# KiCad board Rogelio Pineda - connect 7 AMLDC-2044B.kicad_pcb (continued)
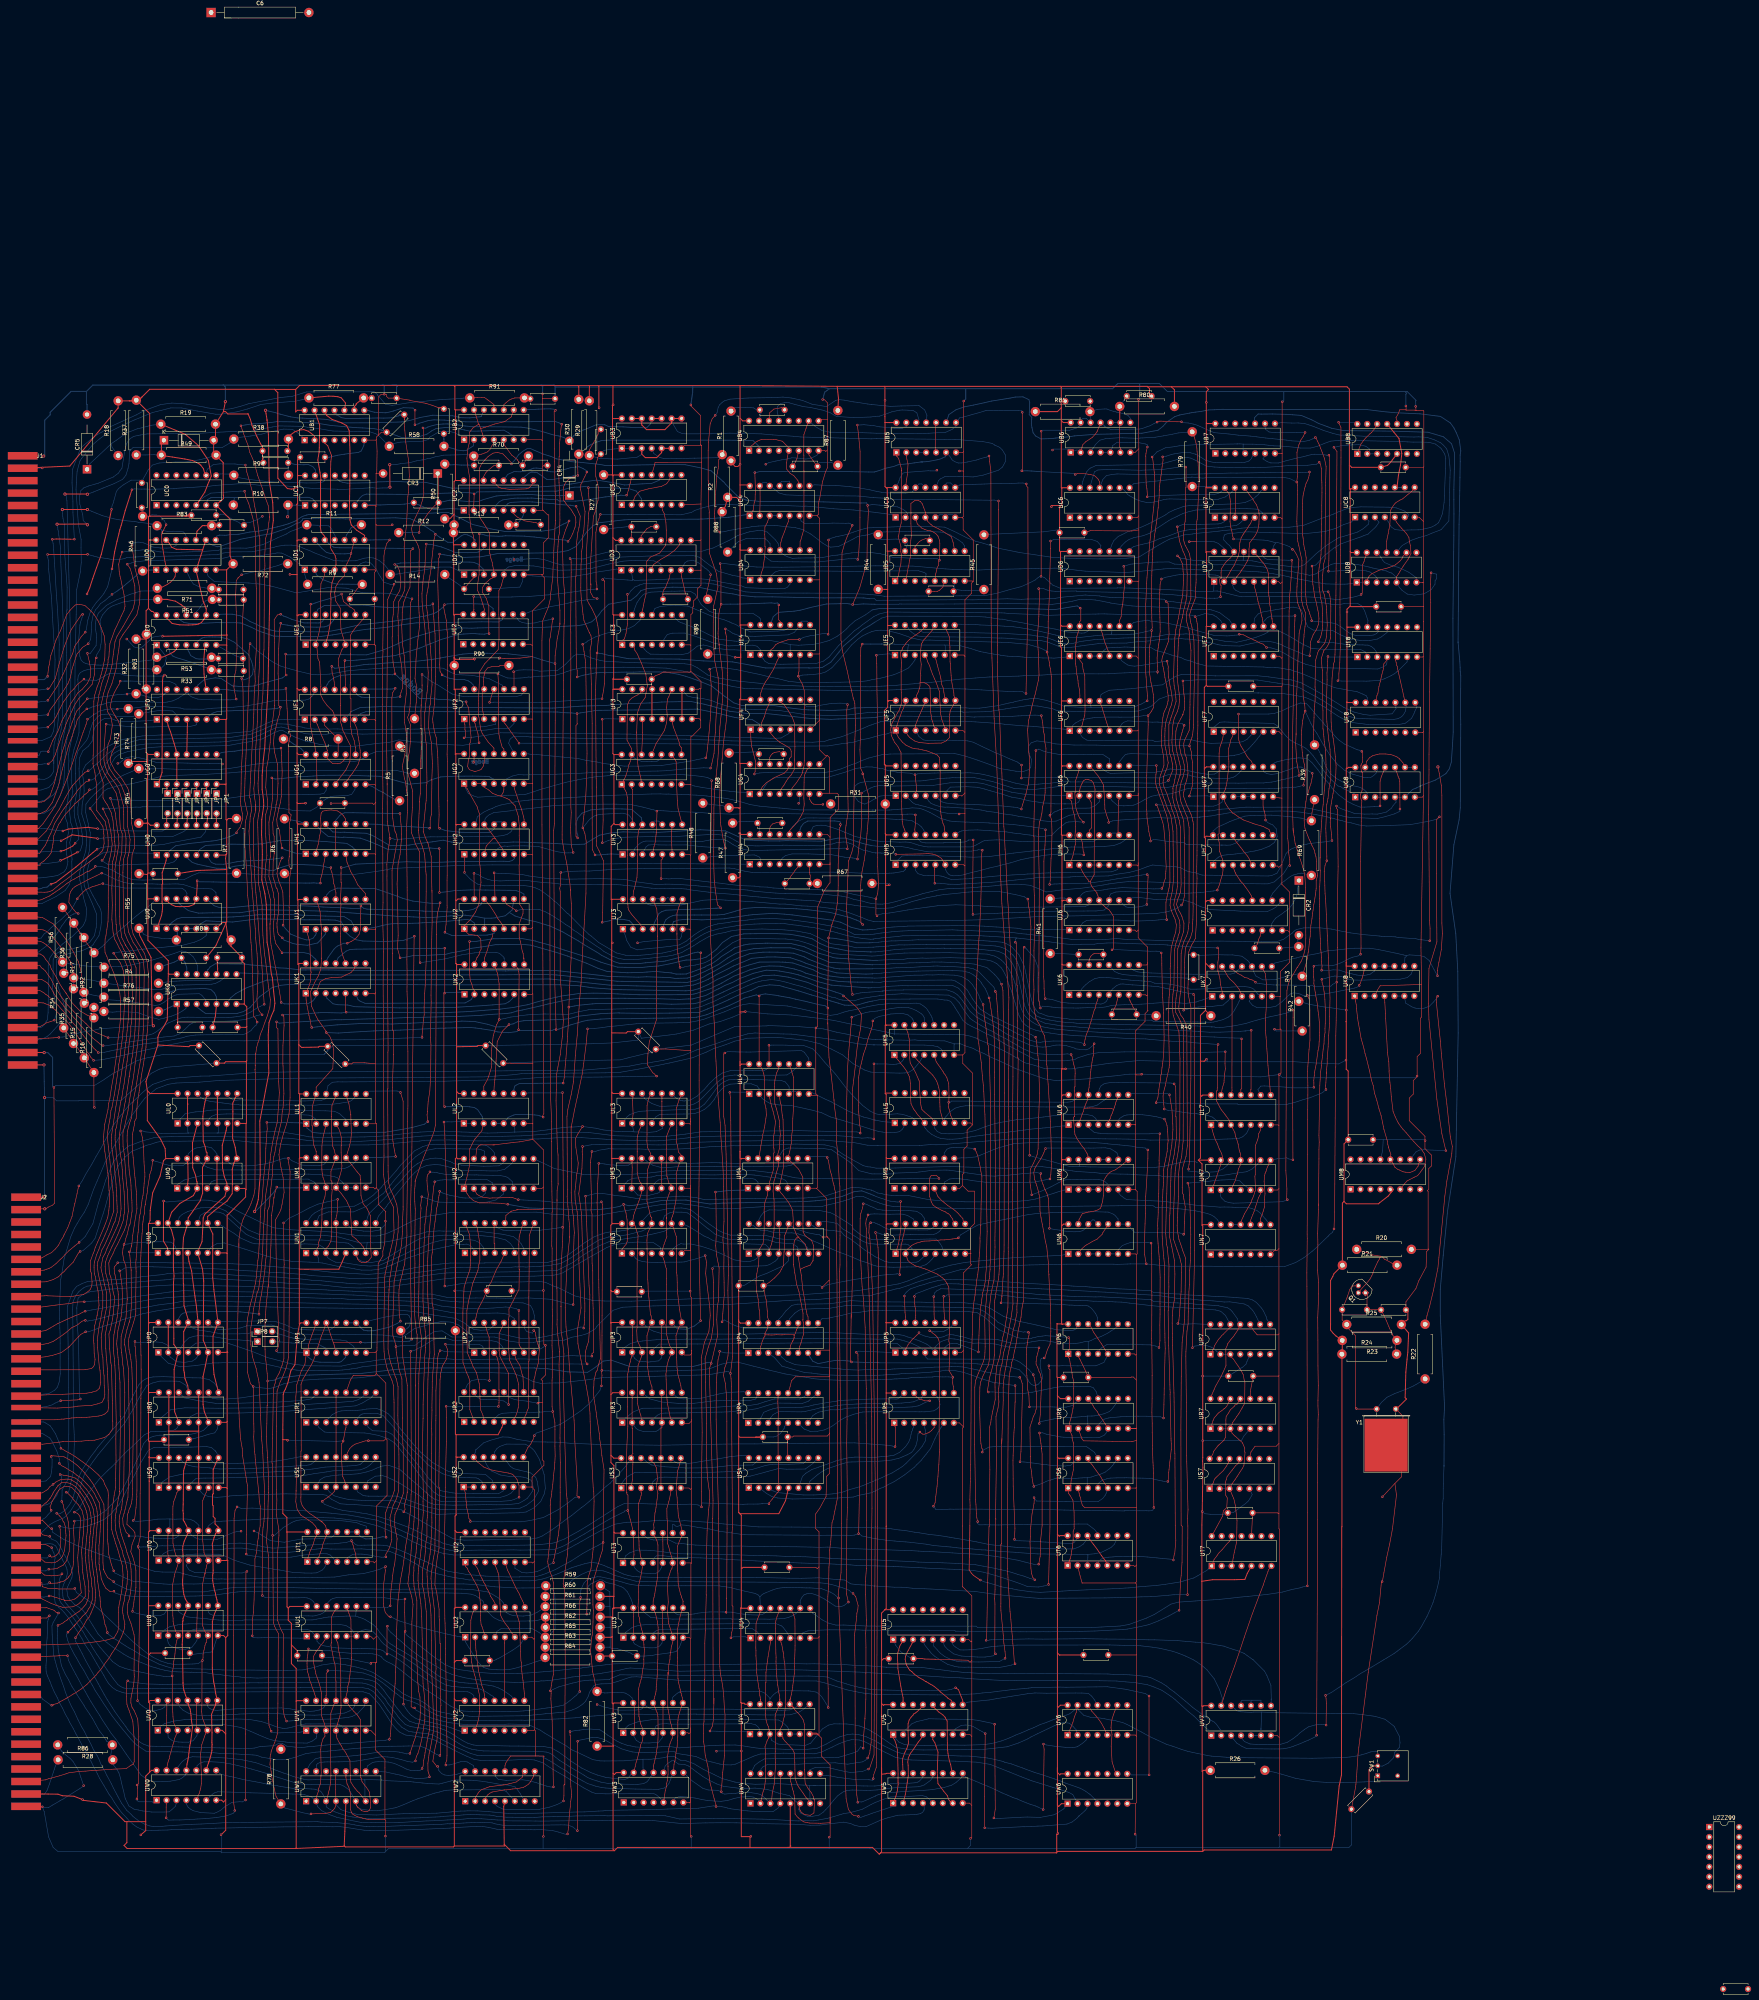
[diagram p0: board, top side]
## Routing (per net, layer and track width the routed paths; a pad name or vN(x,y) marks a point on that pad's centre or on a via; arc(x,y) is an arc through that point) (continued)
  Top w0.25: UD0.13 113.23,369.01 113.83,368 114.98,367.5 121.73,367.35 ; 121.73,367.35 UD0.9 ; 121.73,367.35 121.28,365.95 120.53,363.6 120.39,362.63 UD0.5 121.88,354.15 122.43,352.9 122.58,352.35 122.64,352.29 122.64,350.67 122.03,349.6 121.43,348.8 120.68,348.4 119.93,348.25 119.18,348.2 118.03,348.15 115.88,348.2 113.93,348.55 112.48,350 112.48,350.67
  Bottom w0.2: UD0.9 123.11,369.18 123.83,368.73 124.33,368.54 125.49,368.14 126.22,368.28 129.13,369.26 131.42,370.06 136.57,371.06 139.14,371.45 142.82,372.7 144.39,373.39 145.53,374.02 145.94,374.17 146.52,374.31 147.14,374.9 147.34,375.31 151.28,375.44 151.84,375.43 156.65,375.3 157.61,375.31 158.29,375.25 170.97,375.53 173.42,375.35 174.7,375.33 176.31,374.62 178.27,373.52 179.26,372.93 179.89,372.46 180.71,371.99 v1(181.19,371.34) 182.35,370.54 184.33,369.3 185.55,369.26 186.35,369.81 187.78,370.91 188.63,371.33 189.45,371.16 190.35,370.74 191.4,369.87 UD2.13 ; v1(179.71,296.25) 178.93,296.4 175.02,296.63 174.08,296.71 173.44,296.71 171.63,296.66 169.12,296.96 167.31,297.15 166.34,297.27 164.16,297.31 163.61,297.61 UH1.8
D0p10: length 12.3
  Top w0.25: R83.2 122.19,373.52 122.14,373.57 121.63,373.5 120.28,372.1 UD0.10
  Bottom w0.2: 123.83,373.8 125.68,373.8 125.73,373.85 124.37,373.85 R83.2 125.82,373.52 C20.2
D1p2: length 18.6
  Top w0.15: R9.2 162.36,358.53 161.19,357.36 160.58,356.5 C43.1
  Bottom w0.2: UD1.2 150.81,360.98 152.67,359.66 154.64,358.93 156.11,358.6 157.42,358.59 R9.2
D1p10: length 6.3
  Bottom w0.2: R11.2 160.59,373.48 159.6,372.92 159.22,372.27 158.51,371.2 UD1.10
D2p2: length 10.8
  Top w0.15: C44.1 190.07,359.3 191.07,360.3 UD2.2
  Bottom w0.15: C44.1 187.15,358.54 186.6,358.91 185.66,359.55 184.9,360.01 R14.2
D2p5: length 92.6
  Top w0.15: 195.03,339.57 193.79,338.25 192.53,336.28 192.22,328.8 192.19,328.06 192.19,324.93 192.35,324.49 192.74,321.57 193.16,320.47 194.69,318.26 196.15,316.71 UG2.11 ; 195.03,339.57 197.23,341.85 197.44,344.43 197.44,350.13 197.39,350.76 197.41,356.92 198.18,358.43 ; 195.03,339.57 195,339.43 ; 198.07,358.4 198.52,359.98 UD2.5
  Bottom w0.15: UD3.5 238.84,363.55 238.47,363.91 237.01,364.54 235.33,364.61 232.26,364.59 231.25,364.61 229.11,364.46 225.44,363.71 221.3,362.66 218.54,362.39 217.92,362.31 215.39,362.2 212.58,362.15 206.29,363.24 202.57,363.32 201.33,363.29 199.8,362.96 199.02,362.28 UD2.5
D3p6: length 7.9
  Top w0.15: UD3.6 240.89,359.97 239.96,357.62 239.61,357.2 239.14,355.88 C27.1
D3p7: length 24.5
  Top w0.15: v1(251.51,361) 251.39,360.34 251.24,359.66 250.47,356.06 R89.2 ; C27.2 245.01,356.41 244.68,358.09 244.31,359.6 244.12,360.44 UD3.7
  Bottom w0.15: v1(251.51,361) 251.33,361.64 ; 251.33,361.64 251.33,361.58 ; 251.33,361.64 250.87,362.1 250.36,362.54 250.03,362.72 249.53,363.17 248.43,364.02 247.74,364.43 247.19,364.57 246.69,364.62 245.58,364.49 244.96,364.05 244.56,363.36 UD3.7
D3p10: length 11.2
  Top w0.15: UD3.10 243.42,368.47 242.38,367.26 240.63,365.98 238.65,364.84 236.88,363.58 UD3.4
D3p14: length 6.1
  Top w0.15: C25.2 236.28,373.34 235.12,372.65 ; UD3.14 233.76,370.94 235.2,372.7
D3p15: length 10.6
  Top w0.15: UD3.15 231.22,370.77 231.27,371.15 C25.1
  Bottom w0.15: R27.1 226.84,372.92 228.79,373.1 230.04,373.25 C25.1
D4p1: length 67
  Top w0.15: 191.03,313.09 v1(190.98,313.09) 190.98,313.03 191.03,313.09 ; 191.03,313.09 191.07,313.12 UG2.13
  Bottom w0.15: UG2.13 191.07,313.18 v1(190.98,313.09) ; v1(201.29,364.91) 203.49,364.91 203.76,364.95 204.03,364.99 207.05,365.14 208.92,364.89 211.07,364.16 213.41,363.5 219.37,363.55 222.27,364.43 226,365.1 227.69,365.48 237.62,365.84 239.06,365.81 245.37,365.85 246.95,365.92 248.79,365.42 249.91,364.47 251.48,363.28 253.5,361.89 257.09,360.84 258.33,360.63 259.3,360.31 259.7,360.18 261.23,360.06 UD4.1
D4p3: length 43.3
  Bottom w0.15: 292.32,361.92 290.07,361.85 269.03,362.03 268.01,361.7 267.01,360.85 UD4.3 ; 292.32,361.92 304.65,362.02 306.03,361.58 306.54,361.33 306.57,361.02 306.28,359.4 ; 292.32,361.92 292.38,361.93
D4p12: length 14.3
  Bottom w0.15: UD4.12 266.71,368.91 266.11,369.64 265.51,370.15 264.2,370.28 263.38,370.3 262.29,370.3 260.57,370.22 258.71,369.52 257.82,368.82 257.49,368.36 R88.1
D4p13: length 74.4
  Top w0.15: v1(289.01,399.23) 289.31,396.84 289.72,392.4 289.68,375.54 289.68,372.13 289.39,366.88 v1(289.12,364.9)
  Bottom w0.15: UB5.13 301.54,398.86 300.89,398.55 300.45,398.4 299.89,398.32 298.41,398.41 296.17,398.65 294.61,398.78 293.12,399.1 292.44,399.14 290.7,399.31 289.96,399.26 289.28,399.23 v1(289.01,399.23) ; UD4.13 264.85,366.59 265.2,366.15 265.6,365.48 266.95,364.49 268.59,364.32 272.41,364.3 278.75,364.25 286.78,365.07 287.54,365.08 288.47,365.13 288.48,365.1 288.82,365.07 289,364.9 v1(289.12,364.9)
D5p6: length 5.8
  Top w0.15: UD5.6 311,359.05 310.88,357.85 310.05,357.07 310.05,357.04 309.54,356.78 309.35,356.76 308.66,356.76 308.65,356.75 C24.2
D5p7: length 10.5
  Bottom w0.15: UD5.7 313.9,357.07 C24.1 314.52,357.17 315.68,357.01 316.61,357.03 317.52,356.95 321.18,356.95
D5p14: length 5.8
  Top w0.15: C40.1 306.53,370.26 305.4,369.82 304.85,369.43 304.42,368.95 304.04,368.5 303.74,368.19 UD5.14
D5p15: length 10.5
  Bottom w0.15: 293.73,370.32 295.27,369.99 299.12,370.1 C40.2 301.8,368.76 UD5.15
D6p8: length 31.7
  Bottom w0.15: 381.22,372.98 382.27,373.1 383.01,373.21 384.41,373.41 385.28,373.52 385.79,373.52 386.72,374.11 386.92,374.33 387.14,374.51 387.54,374.91 UC7.4 ; 381.22,372.98 381.26,372.98 ; 381.22,372.98 377.11,372.72 373.93,372.5 373.09,372.38 371.51,372.05 370.11,371.5 368.01,370.72 366.23,370.22 364.6,369.5 363.31,369.1 361.83,368.77 360.64,368.46 359.63,368.18 359.1,367.82 UD6.8
D6p9: length 41.8
  Bottom w0.15: UC7.6 392.46,376.78 392.27,377.02 391.67,377.53 390.87,377.77 389.34,377.84 388.84,377.84 388.47,377.88 386.55,377.88 ; 386.55,377.88 386.68,377.89 ; 386.55,377.88 375.53,377.53 374.57,377.29 373.78,377.11 372.78,376.83 372.03,376.54 371.36,376.23 370.72,375.91 369.27,375.21 368.58,374.82 367.82,374.33 365.5,372.81 364.96,372.42 363.61,371.55 361.99,370.95 359.65,370.46 358.45,370.02 357.48,369.35 356.64,368.5 355.98,367.74 UD6.9
D6p10: length 45.2
  Bottom w0.15: 376.9,378.78 375.51,378.7 374.52,378.7 373.87,378.65 372.44,378.46 370.04,377.58 368.61,376.92 367.84,376.34 366.13,375.41 364.75,374.68 363.45,374 361.46,373.12 360.39,372.72 358.1,371.99 356.58,371.19 355.68,370.79 354.55,369.71 354.02,368.62 UD6.10 ; 376.9,378.78 384.66,379.07 386.12,379.17 388.09,379.46 390.2,380.37 390.84,380.95 391.38,381.39 391.61,381.67 392.14,382.41 UC7.9 ; 376.9,378.78 376.91,378.79 ; 360.57,372.76 360.53,372.72
D7p5: length 193
  Top w0.15: 400.41,295.19 400.35,296.16 ; 400.35,296.16 400.38,295.46 400.64,294 400.74,293.3 400.86,292.42 401.18,291.51 401.77,289.34 402.22,288.23 402.69,286.77 402.76,286.38 402.96,285.88 403.34,284.26 403.55,281.08 403.58,279.76 403.59,269.76 403.6,268.19 403.39,265.32 402.99,263.58 402.38,262.19 401.47,260.74 401.41,260.74 400.44,258.99 399.52,257.55 399.12,256.44 398.77,254.79 398.69,248.54 398.68,247.37 398.5,208.9 398.77,204.11 398.71,201.56 v1(398.89,201.38) ; 400.35,296.16 400.22,300.47 400.22,302.35 400.19,306.29 400.2,307.02 400.2,316.92 400.17,318.58 400.45,330.39 400.45,334.65 400.71,347.8 400.81,349.4 v1(400.84,350.56) ; UD7.5 390.51,357.8 390.67,357.2 390.96,356.02 391.3,354.77 391.38,354.2 391.69,353.09 391.9,352.46 392.02,351.9 392.27,350.53 392.45,350.03 392.53,349.66 392.61,348.91 UE7.9
  Bottom w0.15: UM7.2 381.76,202.48 381.99,201.88 382.95,200.96 383.99,200.63 385.08,200.49 396.83,200.84 397.68,200.89 v1(398.89,201.38) ; 400.62,350.56 v1(400.84,350.56) 400.16,350.43 394.6,350.43 394.14,350.2 393.76,350.03 393.18,349.42 392.78,348.94 UE7.9
D7p9: length 301
  Top w0.15: v1(399.47,286.71) 399.5,286.74 399.5,288.33 399.4,288.71 399.22,289.96 399.09,292.7 398.98,293.68 399.07,313.06 399.21,320.69 399.33,351.71 399.38,352.46 399.41,355.24 399.61,357 399.85,360.22 400.08,364.05 399.98,364.65 v1(400.02,364.69) ; 196.18,284.78 v1(196.2,284.87) 196.32,282.56 196.42,278.4 UJ2.11
  Bottom w0.15: UD7.9 392.44,365.98 392.99,365.29 393.74,364.91 394.31,364.86 399.19,364.7 399.95,364.69 v1(400.02,364.69) ; v1(399.47,286.71) 399.2,286.71 398.2,285.09 397.78,284.55 395.54,282.55 393.95,282.06 393.08,282.05 382.97,282.17 382.04,282.23 379.4,282.26 378.82,282.19 378.46,282.21 376.28,282.21 374.75,282.15 359.77,282.66 358.22,282.62 356.21,282.42 353.14,282.01 351.79,281.74 347.7,281.12 346.03,280.9 341.52,280.53 339.73,280.29 337.26,279.98 333.24,281.66 330.88,281.93 329.3,281.96 325.55,281.75 324.32,281.58 322.43,281.41 321.73,281.38 321.43,281.35 319.75,281.19 318.73,281.07 313.65,280.84 312.45,280.86 309.71,280.51 308.23,280.16 305.66,279.54 304.32,279.09 302.62,278.65 300.85,278.11 298.72,277.49 297.13,277.12 295.4,276.87 294.9,276.88 294.27,276.88 292.5,277.07 291.55,277.25 290.38,277.64 289.72,277.76 287.98,278.12 286.63,278.59 284.89,278.93 281.18,279.3 276.91,279.44 270.57,279.59 270.53,279.55 268.17,279.69 266.71,279.8 262.62,280.18 261.02,280.46 258.79,280.66 256.97,280.7 252.25,281.06 251.43,281.21 248.42,281.51 247.68,281.6 246.42,281.67 243.76,281.88 241.63,281.96 239.94,281.97 237.59,281.84 236.5,282.04 232.52,282.57 230.31,283.04 229.37,283.19 223.28,283.39 214.69,283.24 212.56,283.35 210.36,283.43 209.33,283.5 205.09,284.06 203.46,284.42 199.2,284.68 198.05,284.7 197.32,284.68 v1(196.2,284.87)
DATA0: length 174.2
  Top w0.15: UL4.11 268.84,234.75 268.38,233.76 267.96,232.05 267.85,231.01 267.85,230.32 267.91,226.02 268.35,224.54 268.87,222.51 269.06,221.55 269.15,220.12 269.12,220.09 269.26,218.8 269.34,218 269.26,217.47 269.1,214.41 268.69,213.04 UM4.11 268.91,211.03 268.82,209.9 268.37,208.44 268.07,207.25 267.89,206.64 267.72,206.15 267.68,205.83 267.47,203.59 267.72,201.49 267.75,199.57 267.75,194.19 267.72,193.62 267.51,191.9 267.22,190.76 267.12,190.11 266.66,188.99 UN4.3 ; v1(335.89,208.07) 335.82,207.7 335.93,206.68 336.47,205.24 336.98,203.9 337.45,202.99 337.66,202.34 337.82,201.69 338.13,195.26 v1(338.08,194.05)
  Bottom w0.15: UM4.11 270.08,214.14 271.35,214.57 279.43,214.46 280.3,214.46 282.4,214.14 285.8,211.88 ; 285.69,211.96 287.09,210.99 289.39,208.8 292.73,207.96 293.43,207.97 298.29,207.97 298.57,208.25 298.64,208.17 304.04,208.36 304.77,208.46 305.71,208.55 307.37,208.79 308.86,208.91 311.78,208.94 312.56,208.91 315.46,208.5 317.2,208.2 320.56,207.74 321.43,207.52 324.07,207.41 324.99,207.49 327.42,207.63 329.55,207.85 331.23,208.02 333.7,208.21 334.75,208.37 v1(335.89,208.07) ; UN4.3 266.26,189.19 265.49,189.96 260.62,190.1 259.57,190.08 258.79,190.08 256.64,190.08 255.65,190.08 252.17,190.94 250.87,191.67 249.81,192.12 246.37,194.28 245.64,194.65 244.96,194.95 UN3.8 ; UN6.11 349.48,196.23 349.09,196.23 UN6.12 348.01,194.79 346.91,193.7 346.52,193.45 345.88,193.28 344.64,193.18 343.09,193.23 343.07,193.26 341.6,193.39 340.69,193.62 339.41,193.76 338.75,193.9 v1(338.08,194.05)
DATA1: length 84.6
  Top w0.15: 264.12,170.57 264.04,173.1 263.9,173.33 263.67,175.97 263.24,178.1 263.13,180.46 263.2,181.85 263.32,182.44 263.56,183.77 263.76,184.63 263.9,187.53 UN4.2 263.83,188.46 264.92,190.21 265.1,191.92 265.15,192.66 265.19,193.48 265.23,198 265.18,198.48 265.21,199.01 265.37,200.66 266.06,202.57 UM4.3 266.69,204.84 266.53,205.75 267.56,209 267.57,213.2 267.74,213.37 267.69,214.4 267.63,214.66 267.63,217.62 267.75,218.3 268.11,221.33 267.49,223.91 267.08,225.29 266.6,227.48 UL4.3
  Bottom w0.15: UN4.2 263.41,186.47 262.71,185.98 261.71,185.67 260.74,185.55 259.04,185.75 257.33,186.07 255.04,187.25 251.65,188.67 249.03,189.52 247.17,189.91 246.35,190.09 244.51,190.05 243.94,190.17 242.82,189.66 241.84,188.8 UN3.6
DATA2: length 115.8
  Top w0.15: 274.44,183.38 274.01,186.23 UN4.6 ; UL4.10 272.22,234.28 272.36,233.68 272.7,232.64 272.7,224.92 272.52,222.12 272.42,219.16 272.18,217.35 272.13,215.78 271.74,213.75 UM4.10 272.06,211.04 272.82,210.39 274.02,209.16 275.07,207.14 275.12,201.62 275.12,195.23 275.09,195.2 275.16,193.13 275.68,192.19 277.36,190.89 277.8,189.72 277.74,186.98 277.68,185.92 277.68,185.81 276.95,184.66 275.41,184.1 274.55,183.65 274.48,183.33 274.69,182.1 275.09,178.33 275.52,175.95 275.86,173.44 276.03,172.84 276.15,172.03 276.42,171.45 UP4.10
  Bottom w0.15: UN3.10 239.72,197.24 240.44,197.72 240.99,197.99 242.02,198.26 242.92,198.2 244.19,198.2 245.68,197.99 247.31,196.82 250.6,194.15 251.02,193.86 252.68,192.56 255.88,191.32 258.75,191.18 262.28,191.15 263.41,191.22 266.25,191.11 268.28,190.44 270.86,190.23 272.5,190.13 273.75,189.26 UN4.6
DATA3: length 123.2
  Top w0.15: UL4.4 269.37,226.06 269.52,225.61 269.82,222.97 270.02,221.92 270.15,216.01 270.17,215.99 270.17,213.24 270.19,213.22 270.19,212.81 ; UN4.7 276.03,188.83 275.71,190.01 274.05,191.69 274.05,191.9 273.78,191.62 273.43,191.62 272.92,190.85 272.74,189.6 272.79,189.3 272.7,189.17 272.62,187.8 272.72,184.9 272.7,184.88 273.02,182.69 273.5,179.79 274.1,177.88 274.53,175.52 274.7,174.72 275,173.03 275.13,172.38 275.13,170.77 275.06,170.71 275.19,170.02 275.21,166.87 274.81,165.53 274.61,164.83 274.25,163.84 274.18,162.55 UP4.6 ; 270.19,213.14 270.1,212.56 270.17,209.87 269.52,206.63 269.22,205.32 UM4.4 269.44,203.17 269.82,202.77 271.33,200.83 271.91,199.87 272.47,198.64 272.64,195.92 272.57,195.64 272.68,194.28 273.28,192.95 273.37,192.59 273.93,191.77
  Bottom w0.15: UN4.7 276.17,189.25 274.8,190.63 273.62,191.1 273.14,191.2 269.88,191.31 268.68,191.47 267.28,191.83 265.84,192.2 264.78,192.26 256.53,192.33 254.74,192.98 253.62,193.48 251.08,195.23 249.1,196.76 246.34,198.87 245.07,199.12 244.13,199.27 240.83,199.16 239.44,198.83 238.04,198.58 236.96,198.31 236,198.05 233.94,195.86 UN3.12
DATA4: length 197.2
  Top w0.15: 254.2,50.02 254.2,50.12 v1(254.25,50.17) 254.2,50.22 254.2,51.19 254.38,51.89 254.56,54.47 254.61,55.1 254.9,57.87 255.04,59.42 255.2,69.82 255.05,71.2 254.88,74.54 254.67,76.65 254.35,78.61 254.01,80.27 253.87,82.13 253.74,85.54 253.59,117.21 253.57,119.9 252.93,145.35 252.97,154.67 253.41,160.48 253.71,161.72 v1(253.81,162.64) ; UU4.11 268.89,95.97 268.5,94.93 268.18,93.83 268.13,93.35 268.08,91.92 268.19,85.59 268.25,84.45 268.22,83.35 268.27,82.45 268.28,81.59 268.35,80.34 268.62,77.54 268.7,77.25 268.96,75.43 269.1,74.84 269.2,73.97 269.2,73.8 ; 269.2,73.8 UV4.11 ; 269.2,73.8 269.2,72.78 268.82,71.72 268.14,70.15 268.06,69.55 267.99,69.31 268.09,65.24 268.04,62.17 268.04,60.48 268.01,59.06 268.07,58.43 268.15,57.71 267.97,54.99 267.91,53.37 267.74,52.03 267.63,51.39 267.27,49.87 267.08,47.47 UW4.3
  Bottom w0.15: UW3.8 245.44,54.28 245.83,53.75 246.91,52.88 249.5,51.06 250.88,50.63 253.34,50.53 v1(254.25,50.17) 254.47,49.73 255.15,49.57 256.79,49.73 257.9,49.76 259.01,49.97 260.3,49.97 261.93,49.92 263.33,49.72 264.28,49.46 265.01,48.89 265.51,48.49 266.01,47.91 UW4.3 ; UP4.1 258.01,162.19 255.19,162.27 v1(253.81,162.64)
DATA5: length 156.5
  Top w0.15: 264.25,47.18 264.6,48.59 264.72,49.49 264.91,50.1 265.29,51.2 265.48,52.78 265.59,54.57 265.58,57.89 265.57,58.63 265.57,60.24 265.41,61.68 265.88,62.94 265.97,63.27 266.28,63.77 ; UU4.3 266.79,88.22 266.22,84.8 266.01,83.32 265.66,80.66 265.66,78.1 265.56,78 265.56,72.77 265.55,72.31 265.48,70.23 265.7,68.41 266.01,67.3 266.28,66.81 266.46,66.05 ; 266.46,66.05 266.66,65.16 266.46,64.06 266.28,63.77 ; 266.46,66.05 266.46,65.11 UV4.3 266.28,64.52 266.28,63.77
  Bottom w0.15: 264.25,47.18 263.61,48.13 262.41,48.82 261.45,48.97 259.96,48.84 259.36,48.86 257.44,48.43 255.88,47.95 254.19,47.72 252.4,47.82 250.79,47.92 249.22,48.21 247.55,48.56 245.92,48.8 243.81,48.93 243.34,48.87 242.86,48.68 242.47,48.64 UW3.6 ; UV4.3 267.09,63.31 268.69,62.37 269.8,62.23 275.68,62.02 277.06,62.56 278.39,64.18 278.88,64.72 280.05,66.2 281.65,67.19 283.03,67.52 284.45,67.5 286.29,67.48 287.58,67.34 289.65,66.96 290.77,66.53 292.02,65.95 292.99,65.41 294.1,64.7 295.25,63.95 298.74,61.56 301.93,60.96 305.91,60.84 321.25,60.99 327.24,61.65 330.19,62.63 332.6,63.69 333.39,64.18 334.99,64.96 339.45,67.09 341.7,67.86 343.16,67.69 344.13,66.86 344.53,66.42 344.95,65.94 UV6.2
DATA6: length 144.2
  Top w0.15: 275.61,53.46 275.61,54.58 275.53,55.81 275.5,55.78 275.49,57.88 275.52,58.77 275.52,59.59 275.55,63.28 275.52,67.29 275.18,68.51 274.61,69.42 273.73,70.4 273.33,70.78 272.99,71.13 272.95,71.51 272.79,71.67 ; 275.61,53.36 275.7,52.18 275.89,51.98 276.44,50.96 277.19,50.03 277.85,48.8 277.85,48.33 278.08,48.11 277.92,44.75 276.97,44.14 275.51,44.35 274.68,44.95 274.51,45.25 274.27,45.71 274.16,46.4 274.41,47.18 ; 271.92,73.92 271.74,72.78 272.33,72.09 272.79,71.67 ; 271.92,73.92 271.74,73.75 UV4.10 272.6,71.67 272.79,71.67 ; 271.92,73.92 271.97,74.28 272.14,75 272.51,76.9 272.52,77.29 272.92,80.42 272.92,82.21 273,82.93 273,84.13 273.08,86.38 273.09,87.54 273.07,94.28 272.74,95.39 271.87,97.04
  Bottom w0.15: UW5.12 308.35,53.94 307.68,53.06 306.07,51.89 305.48,51.67 304.56,51.45 299.28,51.23 298.03,51.15 296.11,50.91 295.03,50.74 294.06,50.63 292.24,50.53 291.44,50.53 288.93,50.58 287.7,50.61 286.96,50.56 286.16,50.43 285.5,50.18 284.89,49.81 283.91,49.08 282.98,48.02 282.38,47.29 281.9,46.62 280.92,45.59 280.3,44.97 279.19,44.2 277.49,43.88 276.22,43.93 274.54,44.74 274,45.69 274.41,47.18 273.48,47.55 271.73,49.15 268.92,49.82 267.76,50.18 266.03,50.76 262.88,51.11 259.55,50.96 254.76,51.56 253.06,52.18 251.07,53.15 249.53,54.06 247.94,55.23 245.91,56.74 244.94,57.11 243.29,57.25 242.05,58.14 241.52,58.05 240.53,57.36 239.9,56.74 UW3.10
DATA7: length 431.3
  Top w0.15: 269.28,66.1 269.2,65.96 269.2,64.57 ; 269.28,66.1 269.85,67.22 270.05,68.27 270.34,69.37 270.62,72 270.58,72.84 270.72,78.93 270.59,80.13 270.48,82.69 270.33,83.39 270.23,84.42 270.1,85.47 270.07,85.76 270.03,85.96 269.71,87.76 269.5,88.31 UU4.4 ; 269.28,66.1 269.28,64.98 UV4.4 269.99,64.12 269.99,63.79 270.44,63.18 270.89,62.69 271.75,61.83 271.97,61.52 272.09,61.36 272.44,61.05 272.87,60.14 273.03,57.71 273.06,55.87 273.12,53.48 273.74,51.88 274.01,51.42 275.21,49.73 275.51,49.27 275.86,48.75 276.38,48.21 UW4.7 ; v1(175.9,71.59) 175.33,71.59 175,71.92 175.22,88.52 175.18,93.18 175.2,93.69 175.48,98 175.15,100.02 174.17,103.34 174.34,104.91 174.47,105.78 174.93,110.67 174.98,111.74 175.55,117.29 175.71,119.13 176.09,125.94 176.06,154.15 ; 176.05,206.27 175.99,204.88 175.93,204.27 175.85,203.14 175.93,200.85 176.03,199.2 176.05,198.77 175.89,187.77 175.97,185.14 175.87,179.04 175.86,177.48 175.86,173.04 175.87,172.51 176.02,170.37 176.09,170.18 176.33,167.71 176.54,166.91 176.46,163.02 176.31,161.51 176.06,153.73 ; v1(182.41,277.24) 182.04,275.71 181.73,274.6 181.65,273.89 181.51,272.02 181.51,269.11 181.47,269.07 181.21,220.45 180.94,219.11 180.3,217.29 179.45,215.24 178.6,213.25 177.57,210.64 175.98,206.03
  Bottom w0.15: 234.24,58.48 229.6,58.08 224.47,58.03 223.18,58.06 221.35,58.4 217.35,60.31 216.12,60.84 214.58,61.9 212.92,62.87 211.18,63.92 209.03,65.2 207.97,65.91 204.96,67.34 199.91,67.46 198.96,67.39 197.04,67.39 189.45,67.32 186.98,67.51 184.62,67.85 182.84,68.25 180.2,69 178.52,69.72 177.25,70.5 176.26,71.01 v1(175.9,71.59) ; 234.24,58.48 234.24,56.32 UW3.12 ; 234.24,58.48 235.75,58.48 236.3,58.47 237.07,58.59 237.67,58.62 239.7,58.9 240.25,59.07 242.06,59.25 243.74,58.24 245.22,58.08 247.24,57.33 247.99,56.89 249.6,55.92 252.51,54.51 254.47,53.54 257.73,52.65 259.99,52.28 262.98,52.08 268.54,52.24 275.17,51.87 276.82,51.78 ; UW5.13 305.63,54.73 305.56,53.66 304.92,52.93 304.45,52.63 303.75,52.46 302.25,52.34 299.37,52.36 298.25,52.28 297.54,52.2 295.31,51.81 293.45,51.64 291.59,51.64 290.57,51.65 283.83,51.85 278.22,51.78 ; 276.82,51.78 UW4.7 ; 276.82,51.78 278.22,51.78 ; 278.22,51.78 277.73,51.78
  Bottom w0.2: v1(182.41,277.24) 181.83,277.04 180.55,277.02 175.43,277.64 172.89,278.34 170.04,279.4 165.71,280.88 156.14,280.96 154.68,280.35 154.12,280.03 153.41,279.2 UJ1.12
DATA8: length 240.1
  Top w0.15: UW1.3 153.66,48.99 153.8,49.6 153.89,50.03 154.11,50.84 154.31,51.97 154.44,52.5 154.46,53.27 154.5,54.75 154.37,61.8 154.48,70.24 155.21,72.33 155.79,73.42 155.79,78.31 155.74,78.73 155.73,80.07 155.54,82.76 155.38,83.12 155.1,84.43 154.51,87.51 154.56,88.03 154.6,88.23 154.63,88.26 154.63,94.69 155.05,95.67 155.55,96.53 UU1.11
  Bottom w0.15: 138.01,52.16 139.74,51.83 140.78,51.7 141.7,51.52 143.83,51.17 145.39,50.97 148.13,50.96 149.61,50.88 150.44,50.83 151.75,50.35 151.96,50.18 152.46,49.49 152.72,48.97 UW1.3 153.32,46.3 153.97,45.82 155.55,45.02 156.44,44.71 158.47,44.03 160.14,43.71 162.01,43.49 163.42,43.35 164.21,43.32 175.97,43.48 177.45,43.53 178.02,43.57 179.28,43.66 181.14,43.71 182.43,43.77 183.31,43.9 186.28,44.07 188.43,44.27 190.18,44.34 191.73,44.33 192.51,44.28 195.04,44.22 196.05,44.08 196.74,43.91 199.48,43.66 200.82,43.66 206.5,43.6 208.51,43.76 211.49,43.8 212.51,43.79 214.57,43.85 217.38,44 219.33,44.02 224.3,44.08 225.19,44.02 225.83,44.03 238.15,44.08 239.93,44.04 243.56,43.22 249.19,43.3 252.3,43.34 254.72,43.32 257.52,43.32 264.88,43.18 266.65,43.12 270.5,42.9 272.37,42.77 274.02,42.73 275.8,42.79 277.81,42.75 279.08,42.96 281.44,43.4 285.5,44.59 287.1,44.83 288.98,45.32 290.28,45.71 292.57,46.95 293.6,47.44 295.76,48.27 297.57,48.84 298.72,48.9 300.16,48.99 302.04,48.99 305.65,49.19 306.59,48.92 306.93,48.63 307.37,48.33 UW5.5 ; 138.01,52.16 138.09,52.16 ; 138.01,52.16 136.35,52.51 135.18,52.72 132,53.31 129.94,53.83 128.66,54.11 127.62,54.32 126.2,54.75 UW0.8
DATA9: length 234.1
  Top w0.15: UU1.3 152.95,88.93 152.56,88.35 151.65,87.22 151.43,86.84 150.73,85.97 150.44,85.44 150.06,84.77 150.03,83.39 150.32,81.77 150.58,80.79 150.64,80.29 151.19,78.75 151.49,77.82 151.81,76.8 152.08,75.33 152.08,69.74 152.25,69.13 152.8,67.69 152.98,66.96 UV1.3 152.86,65.4 152.99,64.4 152.48,63.69 152.03,62.22 151.89,60.89 152.03,55.08 151.82,52.25 151.39,51.04 151.36,50.98 151.3,50.63 151.27,50.2 150.92,49.19 150.71,47.76
  Bottom w0.15: UW5.4 306.06,46.97 306.1,45.75 306.04,45.46 305.68,44.91 305.08,44.56 304.51,44.46 304.09,44.39 303.61,44.35 301.4,44.25 299.32,44.17 296.68,43.49 295.01,42.95 291.24,41.27 289.91,41.23 288.19,41.65 287.25,42.07 285.49,42.4 281.83,41.96 279.38,41.65 276.96,41.61 274.39,41.82 272.03,41.9 264.75,42.02 263.18,42.14 262.1,42.14 259.64,42.2 258.05,42.24 254.02,42.26 250.17,42.22 244.06,42.05 236.72,42.82 235.17,42.81 226.59,42.81 223.82,42.83 219.29,42.79 216.97,42.79 208.16,42.67 206.85,42.7 199.61,42.74 198.82,42.91 197.04,42.96 195.5,43.1 192.96,43.27 189.57,43.32 188.47,43.19 186.91,43.09 184.35,42.97 181.05,42.77 178.88,42.72 171.91,42.31 165.84,42.3 164.79,42.35 162.25,42.33 160.96,42.59 159.05,42.97 155.96,43.66 154.06,44.35 152.11,45.35 151.09,46.37 150.71,47.76 149.48,48.89 147.79,49.41 146.55,49.56 144.69,49.59 143.22,49.67 133.89,49.9 132.42,49.98 125.59,50.17 124.73,49.88 124.25,49.56 123.57,48.95 UW0.6
DATA10: length 148.4
  Top w0.15: UU1.10 158.89,96.41 159.1,95.75 159.61,94.25 159.74,84.5 159.71,84.42 159.73,84.09 159.64,82.13 159.46,81.14 159.35,79.96 159.2,79.04 159.15,78.29 158.82,77.11 158.72,75.95 158.33,74.35 UV1.10 158.96,72.47 159.36,71.84 160.32,70.75 160.92,70.13 161.24,69.79 162.01,68.62 162.06,54.28 162.11,53.8 162.22,53.67 162.47,52.71 163.03,51.96 163.52,51.35 164.04,50.59 164.34,50.06 164.63,47.39 164.62,46.09 164.42,45.67 164.3,45.49 163.94,45.19 163.66,45.17 163.22,45.11 162.38,45.31 161.4,46.19 161.25,46.38 161.06,46.58 UW1.6
  Bottom w0.15: UW0.10 120.31,56.84 121.03,57.46 121.63,57.71 122.16,57.82 123.35,57.8 123.82,57.83 126.43,57.69 128.9,57.27 130.57,56.9 134.15,55.99 136.57,55.28 138.51,54.71 139.85,54.22 140.94,53.87 143.85,52.94 145.9,52.29 147.2,52.14 149.53,51.99 151.44,52 154.33,52.01 156.1,52.08 156.96,51.99 157.88,51.56 159.17,50.64 159.86,49.46 160.39,48.54 UW1.6 161,46.62 161.44,46.15 162.38,45.68 164.11,45.46 164.8,45.35 165.06,45.35 166.38,45.32 166.95,45.41 168.36,45.6 171.11,46.12 172.94,46.82 174.78,47.61 175.45,47.89 176.75,48.4 179.51,49.32 180.92,49.8 182.25,50.11 183.28,50.4 183.92,50.54 185.73,50.64 193.76,50.68 195.86,50.7 197.56,50.7 198.81,50.5 199.35,50.18 200.37,49.03 200.67,48.72 UW2.6
DATA11: length 144.2
  Top w0.15: UU1.4 155.96,88.74 156.27,88.2 156.39,87 156.56,85.79 156.79,84.93 156.87,84.05 156.93,82.22 156.99,81.14 157.03,78.93 157,77.33 157.09,71.76 157.03,71.24 156.91,70.32 156.83,69.68 156.49,68.53 156.07,67.18 ; 156.17,67.38 155.79,66.62 155.79,65.8 155.87,64.61 156.08,63.75 156.62,62.73 157.11,61.96 157.59,61.08 158.24,60.25 158.46,59.79 159.36,58.15 159.46,53.4 159.63,52.55 160.28,51.52 160.63,51.09 161.19,50.37 161.7,49.92 UW1.7
  Bottom w0.15: UW1.7 163.19,48.86 163.19,53.09 163.07,53.21 ; 163.07,53.21 161.9,53.27 150.54,53.26 148.64,53.21 147.46,53.39 146.62,53.62 144.92,54.06 143.4,54.64 142.42,54.94 141.19,55.41 140.17,55.76 138.6,56.45 136.79,57.08 135.31,57.58 132.56,58.19 131.82,58.33 127.97,58.77 125.82,58.9 123.86,59.01 121.3,59.04 119.14,59.11 117.8,58.8 116.74,58.06 116.3,57.66 115.43,56.52 UW0.12 ; 163.07,53.21 163.16,53.3 167.33,53.19 168.68,53 173.79,52.78 174.88,52.74 175.56,52.66 177.96,52.41 179.16,52.29 180.56,52.21 182.12,52.14 183.06,52.37 185.05,52.9 186.32,53.19 188.03,53.17 190.07,53.12 190.89,53.09 193.27,52.83 194.51,52.64 197.83,52.04 199.83,51.87 201.55,51.4 202.09,50.78 202.88,49.68 203.18,49.11 UW2.7
DATA12: length 117.3
  Top w0.15: 154.62,198.26 154.71,197.6 154.71,194.41 154.61,194.32 154.61,191.95 ; 154.61,198.19 154.69,200.85 154.61,201.42 154.83,203.89 154.74,203.99 154.74,205.95 154.54,206.3 154.51,206.37 154.51,208.67 155.05,210.14 UM1.11 155.33,214.12 154.94,215.09 154.76,217.56 154.69,217.63 154.69,222.62 154.58,222.73 154.69,223.26 154.76,225.45 155.58,227.42 UL1.11 ; 154.61,192.09 154.51,190.84 153.86,189.55 153.24,188.89 UN1.3
  Bottom w0.15: UN2.3 193.42,189.26 192.48,190.42 191.18,191 189.43,191.21 185.15,191.22 183.12,191.1 180.54,190.48 178.12,189.46 174.96,188.27 171.7,186.74 169.99,185.97 168.68,185.41 168.03,185.1 166.91,184.64 164.51,184.44 163.73,184.48 162.2,184.59 157.91,185.28 155.67,185.43 154.33,186.08 153.64,186.6 UN1.3 152.87,188.86 152.49,189.24 151.3,189.97 147.8,190.09 147.09,190.05 146.2,190.08 136.73,190.11 135.08,190.12 134.1,190.38 131.28,191.65 129.79,192.76 128.31,193.66 UN0.8
DATA13: length 108.9
  Top w0.15: UN1.2 151.03,189.08 151.35,189.48 151.39,190.55 151.85,191.91 152.1,194.71 152.21,196.36 152.21,199.2 152.57,200.95 152.96,202.1 UM1.3 152.82,206.12 152.46,207.12 152.28,208.09 152.18,209.24 152.18,210.03 152.2,215.03 152.28,216.02 152.57,217.81 152.86,218.78 UL1.3
  Bottom w0.15: UN2.2 190.78,188.9 190.07,189.73 189.22,190.04 188.18,189.94 ; UN1.2 151.34,186.32 151.34,185.31 ; 151.34,185.31 149.06,185.44 144.57,185.62 140.17,186.36 135.25,187.87 132.52,188.76 127.25,190.34 125.35,190.14 123.98,189.41 UN0.6 ; 151.34,185.31 152.33,185.21 156.12,184.39 157.91,184.21 160.45,183.74 162.25,183.4 164.82,183.39 166.59,183.6 168.3,184.03 170.83,185.07 174.09,186.48 177.2,187.53 179.62,188.43 184.58,189.5 186.86,189.96 187.41,189.91 188.41,189.94
DATA14: length 141.9
  Top w0.15: 161.37,186.14 161.34,186.24 ; 161.34,186.24 161.15,186.72 UN1.6 ; 161.34,186.24 161.72,185.7 162.39,185.32 163.14,185.33 163.26,185.35 163.64,185.5 ; 159.59,223.01 159.08,225.99 158.69,227.12 UL1.10 ; 163.64,185.5 163.51,185.46 ; 163.64,185.5 164.14,185.75 164.81,186.69 164.61,190.67 164.64,191.51 164.58,197.34 163.74,199.12 162.73,200.35 162.18,202.42 162.12,206.44 162.02,206.53 161.96,207.63 161.21,208.48 159.69,210.45 UM1.10 158.69,213.3 159.2,214.89 159.59,216.67 159.72,218.19 159.57,223.17
  Bottom w0.15: UN2.6 201.07,189.19 200.39,190.16 199.17,191.1 197.54,191.53 196.41,191.79 195.28,191.97 193.6,192.13 192.83,192.23 191.73,192.31 184.21,192.3 183.78,192.32 182.98,192.31 179.05,191.89 177.26,191.44 175.48,190.52 174.06,189.71 172.01,188.51 167.92,185.92 164.76,185.32 163.69,185.43 162.78,185.56 162.06,185.79 161.28,186.44 UN1.6 160.89,188.7 159.92,189.54 158.92,190.27 158.35,190.35 155.37,190.63 154.65,190.73 153.89,190.97 152.18,191.08 139.54,191.19 137.99,191.18 135.66,191.27 133.47,192.21 132.7,192.65 127.08,197.76 126.05,198.18 124.72,198.28 122.29,198.09 121.12,197.39 UN0.10
DATA15: length 134.4
  Top w0.15: UN1.7 162.75,189.34 162.31,189.84 162.14,190.15 161.43,190.76 160.91,191.35 159.89,192.15 159.77,193.35 159.46,199.12 ; 159.39,199.17 158.76,200.51 158.49,201.14 157.61,202.31 157.09,203.03 UM1.4 156.78,207.42 157.22,209.04 157.31,210.01 157.24,210.6 157.11,213.52 157.11,215.13 157.15,215.17 157.15,217.34 156.82,218.72 156.47,219.64 155.81,220.46 UL1.4
  Bottom w0.15: 163.75,190.39 162.96,190.35 161.83,190.35 156.54,191.85 152.97,192.25 146.45,192.28 144.89,192.18 136.13,192.53 133.31,193.69 131.9,194.74 127.67,198.5 125.89,199.27 125.39,199.39 121.27,199.31 119.76,198.9 117.93,198.37 116.52,197.65 115.74,196.92 UN0.12 ; 163.75,190.39 164.89,190.43 165.2,190.35 166.82,190.51 168.2,190.55 170.32,190.92 172.86,191.52 176.94,192.55 178.99,193.17 182.12,193.41 183.3,193.36 191.85,193.37 198.55,192.53 201.17,191.92 202.09,191.19 203.08,190.18 203.65,189.15 UN2.7 ; 163.75,190.39 163.61,188.9 ; UN1.7 163.61,187.96 163.61,188.9 ; 163.61,188.9 163.59,188.89
